# Allegro board BRD_05101_01_rev_b01_aa.brd (continued)
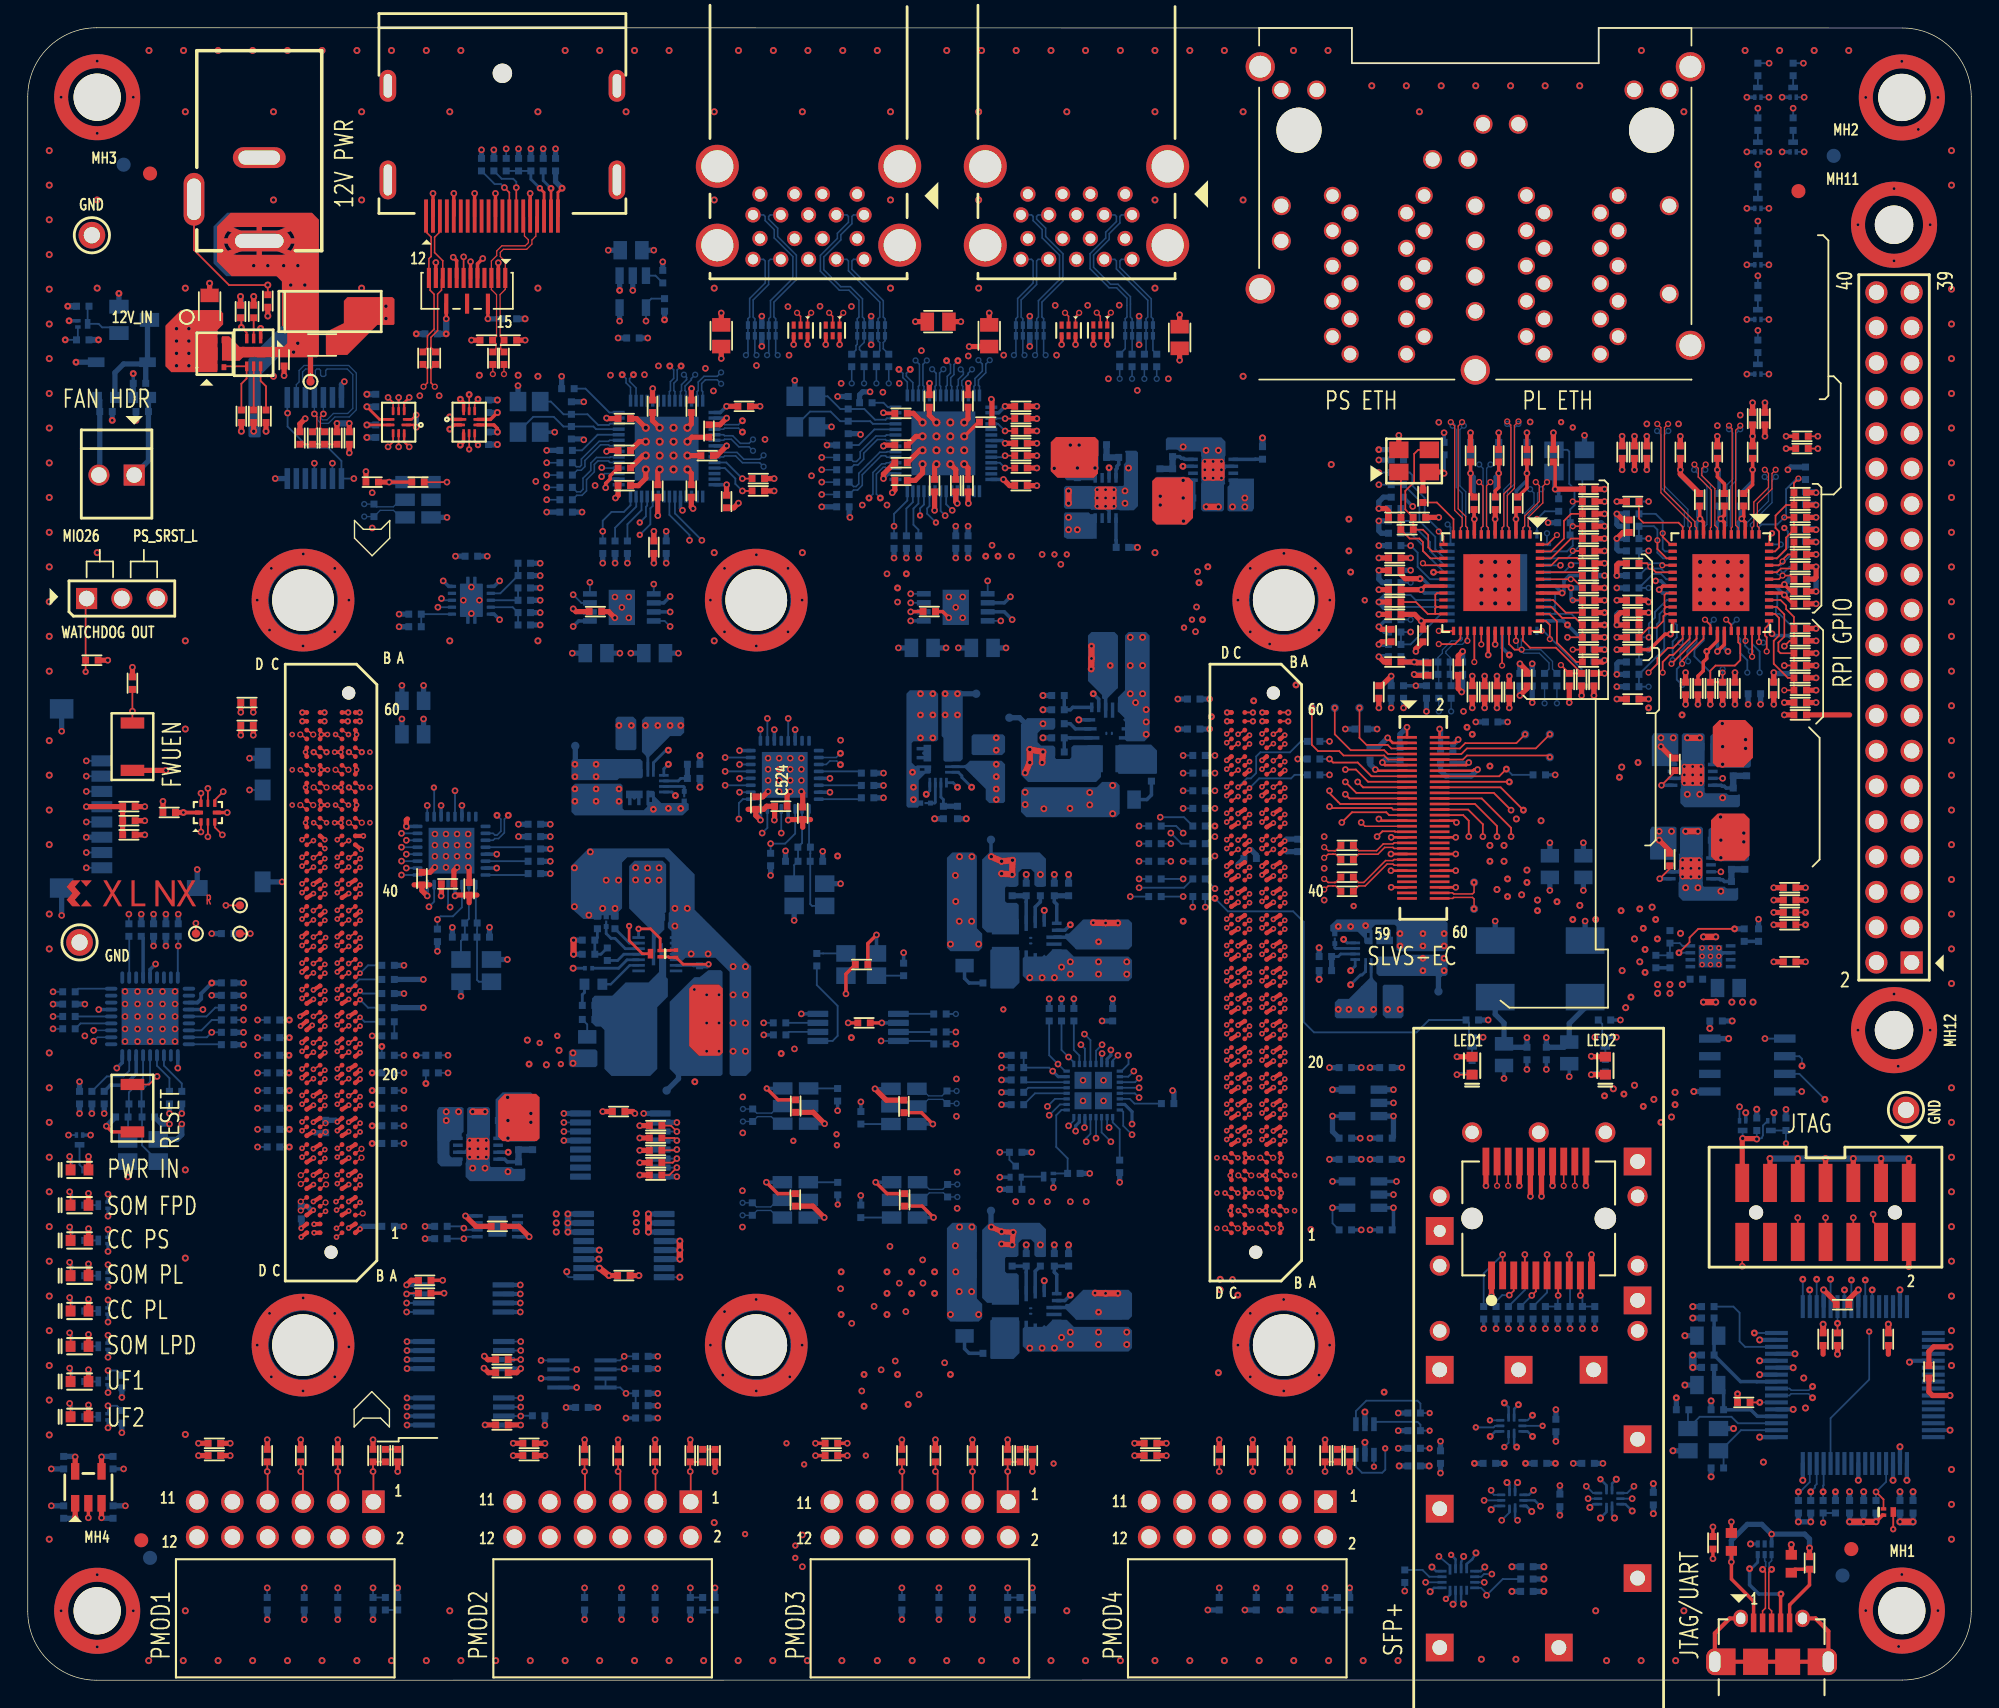
[diagram p0: board, top side]
## Placement (name value [footprint] x y rotation side) (continued)
C426  1UF  [CAPC100X50X70]  126.92 57.07 180 top
C427  10PF  [CAPC100X50X55]  126.92 56.18 180 top
C428  0.1UF  [CAPC100X50X55]  94.92 37.51 0 bottom
C429  10UF  [CAPC100X50X70]  97.84 37.51 180 bottom
C430  0.1UF  [CAPC100X50X55]  94.92 44.12 0 bottom
C431  10UF  [CAPC100X50X70]  97.84 44.12 180 bottom
C432  22UF  [CAPC200X125X145]  111.04 45.18 270 bottom
C433  0.1UF  [CAPC100X50X55]  109.39 45.13 270 bottom
C434  22UF  [CAPC200X125X145]  106.35 45.05 270 bottom
C435  0.1UF  [CAPC100X50X55]  108 45.13 270 bottom
C436  0.1UF  [CAPC100X50X55]  33.83 32.69 0 top
C437  0.1UF  [CAPC100X50X55]  28.6 28.8 0 top
C439  0.1UF  [CAPC100X50X55]  128.06 82.47 270 bottom
C440  0.1UF  [CAPC100X50X55]  115.62 70.66 180 bottom
C441  0.1UF  [CAPC100X50X55]  127.68 70.4 0 bottom
C442  1UF  [CAPC100X50X70]  124.38 71.04 180 bottom
C443  0.1UF  [CAPC100X50X55]  119.05 88.44 270 bottom
C444  0.1UF  [CAPC100X50X55]  123.36 85.01 90 bottom
C445  0.01uF  [CAPC100X50X55]  120.32 85.01 90 bottom
C446  1UF  [CAPC100X50X70]  114.85 88.44 90 bottom
C447  0.1UF  [CAPC100X50X55]  124.25 90.85 90 bottom
C448  0.1UF  [CAPC100X50X55]  127.68 79.29 0 bottom
C449  1UF  [CAPC100X50X70]  125.14 90.85 90 bottom
C450  0.1UF  [CAPC100X50X55]  127.68 74.85 0 bottom
C451  1UF  [CAPC100X50X70]  115.62 76.88 180 bottom
C452  0.01uF  [CAPC100X50X55]  127.68 78.41 0 bottom
C453  1UF  [CAPC100X50X70]  128.06 85.14 90 bottom
C454  10UF  [CAPC100X50X70]  122.98 71.42 270 bottom
C455  10UF  [CAPC100X50X70]  116.63 88.44 270 bottom
C456  1UF  [CAPC100X50X70]  115.74 88.44 90 bottom
C457  1UF  [CAPC100X50X70]  127.68 73.07 0 bottom
C458  0.1UF  [CAPC100X50X55]  115.62 77.77 180 bottom
C459  1UF  [CAPC100X50X70]  121.71 88.44 270 bottom
C460  1UF  [CAPC100X50X70]  124.25 88.44 270 bottom
C461  0.01uF  [CAPC100X50X55]  121.84 85.01 90 bottom
C462  10UF  [CAPC100X50X70]  125.78 71.42 270 bottom
C463  0.1UF  [CAPC100X50X55]  115.62 75.99 180 top
C464  0.1UF  [CAPC100X50X55]  120.32 71.42 270 top
C465  10UF  [CAPC100X50X70]  127.68 70.4 0 top
C466  1UF  [CAPC100X50X70]  122.98 71.42 270 top
C467  0.1UF  [CAPC100X50X55]  120.44 85.01 90 top
C468  0.1UF  [CAPC100X50X55]  116.63 88.44 270 top
C469  1UF  [CAPC100X50X70]  119.05 88.44 270 top
C470  1UF  [CAPC100X50X70]  114.85 88.44 90 top
C471  1UF  [CAPC100X50X70]  124.25 88.44 270 top
C472  0.1UF  [CAPC100X50X55]  122.22 85.01 90 top
C473  0.1UF  [CAPC100X50X55]  121.71 88.44 270 top
C474  0.1UF  [CAPC100X50X55]  119.43 71.42 270 top
C475  1UF  [CAPC100X50X70]  115.62 70.66 180 top
C476  1UF  [CAPC100X50X70]  115.36 83.1 270 top
C477  0.01uF  [CAPC100X50X55]  127.68 77.52 0 top
C478  0.1UF  [CAPC100X50X55]  115.62 76.88 180 top
C479  10UF  [CAPC100X50X70]  115.74 88.44 90 top
C480  0.01uF  [CAPC100X50X55]  123.62 85.01 90 top
C481  0.1UF  [CAPC100X50X55]  115.62 77.77 180 top
C482  0.01uF  [CAPC100X50X55]  127.68 78.41 0 top
C483  1UF  [CAPC100X50X70]  125.14 90.85 90 top
C484  1UF  [CAPC100X50X70]  124.25 90.85 90 top
C485  10UF  [CAPC100X50X70]  125.78 71.42 270 top
C486  1UF  [CAPC100X50X70]  115.62 74.21 180 top
C487  0.1UF  [CAPC100X50X55]  98.47 73.71 180 bottom
C488  0.1UF  [CAPC100X50X55]  98.47 79.93 180 bottom
C489  0.1UF  [CAPC100X50X55]  100.76 71.17 270 bottom
C490  1UF  [CAPC100X50X70]  112.82 73.83 90 bottom
C491  0.1UF  [CAPC100X50X55]  107.23 84.76 90 bottom
C492  0.1UF  [CAPC100X50X55]  103.93 88.69 270 bottom
C493  1UF  [CAPC100X50X70]  102.03 88.69 270 bottom
C494  0.01uF  [CAPC100X50X55]  104.19 84.76 90 bottom
C495  0.01uF  [CAPC100X50X55]  105.71 84.76 90 bottom
C496  0.1UF  [CAPC100X50X55]  104.95 71.17 270 bottom
C497  0.1UF  [CAPC100X50X55]  112.44 78.66 0 bottom
C498  0.1UF  [CAPC100X50X55]  107.49 72.06 270 bottom
C499  1UF  [CAPC100X50X70]  99.11 71.17 270 bottom
C500  1UF  [CAPC100X50X70]  112.87 81.73 270 bottom
C501  0.01uF  [CAPC100X50X55]  112.44 79.55 0 bottom
C502  10UF  [CAPC100X50X70]  108.38 72.06 270 bottom
C503  1UF  [CAPC100X50X70]  105.96 88.69 270 bottom
C504  0.1UF  [CAPC100X50X55]  112.44 75.1 0 bottom
C505  1UF  [CAPC100X50X70]  98.47 80.82 180 bottom
C506  1UF  [CAPC100X50X70]  105.84 71.17 270 bottom
C507  10UF  [CAPC100X50X70]  112.82 72.06 270 bottom
C508  1UF  [CAPC100X50X70]  98.22 71.17 270 bottom
C509  10UF  [CAPC100X50X70]  108 88.69 270 bottom
C510  1UF  [CAPC100X50X70]  112.44 77.77 0 bottom
C513  1000PF  [CAPC100X50X55]  62.91 88.95 0 top
C514  1000PF  [CAPC100X50X55]  62.91 86.41 0 top
C515  0.1UF  [CAPC100X50X55]  71.55 89.07 0 top
C516  0.1UF  [CAPC100X50X55]  66.85 86.03 90 top
C517  0.1UF  [CAPC100X50X55]  71.55 86.03 0 top
C518  0.1UF  [CAPC100X50X55]  69.01 90.6 180 top
C519  0.1UF  [CAPC100X50X55]  67.74 92.12 270 top
C520  0.1UF  [CAPC100X50X55]  64.94 92.12 270 top
C521  0.1UF  [CAPC100X50X55]  66.85 81.96 270 bottom
C522  0.1UF  [CAPC100X50X55]  58.72 84.5 180 bottom
C523  0.1UF  [CAPC100X50X55]  55.83 62.43 90 top
C524  0.1UF  [CAPC100X50X55]  54.25 62.94 0 top
C525  0.1UF  [CAPC100X50X55]  52.45 63.17 90 top
C526  1000PF  [CAPC100X50X55]  65.32 86.03 90 top
C527  1000PF  [CAPC100X50X55]  62.91 87.68 0 top
C528  0.1UF  [CAPC100X50X55]  67.74 86.03 90 top
C529  0.1UF  [CAPC100X50X55]  71.55 91.74 0 top
C530  0.1UF  [CAPC100X50X55]  62.91 91.23 0 top
C531  0.1UF  [CAPC100X50X55]  67.74 81.96 270 bottom
C532  0.1UF  [CAPC100X50X55]  36.5 61.64 0 bottom
C533  2.2UF  [CAPC100X50X55]  60.5 65.32 180 bottom
C534  0.1UF  [CAPC100X50X55]  58.72 86.28 0 bottom
C535  0.1UF  [CAPC100X50X55]  58.72 85.39 0 bottom
C536  0.1UF  [CAPC100X50X55]  58.72 88.06 0 bottom
C537  0.1UF  [CAPC100X50X55]  58.72 87.17 0 bottom
C538  10UF  [CAPC100X50X70]  105.46 69.01 0 bottom
C539  1UF  [CAPC100X50X70]  101.77 66.47 270 bottom
C540  10UF  [CAPC100X50X70]  96.69 66.72 270 bottom
C541  1UF  [CAPC100X50X70]  96.06 68.5 180 bottom
C542  10PF  [CAPC100X50X55]  98.85 66.72 270 bottom
C543  10PF  [CAPC100X50X55]  102.66 66.47 270 bottom
C544  0.01uF  [CAPC100X50X55]  95.04 57.83 180 top
C545  0.01uF  [CAPC100X50X55]  95.04 56.82 180 top
C546  0.01uF  [CAPC100X50X55]  95.04 60.12 0 top
C547  0.01uF  [CAPC100X50X55]  95.04 59.1 0 top
C548  0.1UF  [CAPC100X50X55]  71.29 45 180 bottom
C549  0.1UF  [CAPC100X50X55]  110.16 72.06 90 bottom
C550  0.1UF  [CAPC100X50X55]  109.27 72.06 90 bottom
C551  0.1UF  [CAPC100X50X55]  101.65 71.17 90 bottom
C552  0.1UF  [CAPC100X50X55]  102.54 71.17 90 bottom
C553  18PF  [CAPC100X50X50]  110.66 83.36 180 bottom
C554  18PF  [CAPC100X50X50]  112.44 83.36 0 bottom
C555  18PF  [CAPC100X50X50]  100.25 83.74 0 top
C556  18PF  [CAPC100X50X50]  98.47 83.74 180 top
C557  4.7UF  [CAPC100X50X60]  7.29 61.9 0 top
C558  1000PF  [CAPC100X50X55]  14.4 50.22 0 bottom
C559  0.1UF  [CAPC100X50X55]  2.97 48.69 180 bottom
C560  0.1UF  [CAPC100X50X55]  14.4 49.32 0 bottom
C561  0.1UF  [CAPC100X50X55]  3.73 41.96 270 bottom
C562  1UF  [CAPC100X50X70]  5.51 41.96 270 bottom
C563  27PF  [CAPC100X50X55]  6.78 40.56 180 bottom
C564  27PF  [CAPC100X50X55]  8.68 40.56 0 bottom
C565  0.1UF  [CAPC100X50X55]  10.19 62.49 180 top
C566  18PF  [CAPC100X50X50]  31.03 53.51 180 bottom
C567  18PF  [CAPC100X50X50]  32.81 53.51 0 bottom
C568  27PF  [CAPC100X50X55]  39.16 91.61 90 bottom
C569  27PF  [CAPC100X50X55]  39.16 89.84 270 bottom
C570  18PF  [CAPC100X50X50]  55.04 58.97 180 bottom
C571  18PF  [CAPC100X50X50]  56.82 58.97 0 bottom
C572  27PF  [CAPC100X50X55]  59.1 91.99 90 bottom
C573  27PF  [CAPC100X50X55]  59.1 90.22 270 bottom
C574  4.7UF  [CAPC100X50X60]  9.95 54.02 90 bottom
C575  22UF  [CAPC200X125X145]  112.06 58.59 90 bottom
C576  22UF  [CAPC200X125X145]  109.65 58.59 90 bottom
C577  0.1UF  [CAPC100X50X55]  34.16 18.39 180 top
C578  0.1UF  [CAPC100X50X55]  24.81 86.28 180 top
C581  1UF  [CAPC100X50X70]  21.46 39.87 270 bottom
C582  1UF  [CAPC100X50X70]  19.71 33.68 90 bottom
C583  1UF  [CAPC100X50X70]  83.99 68.5 180 bottom
C584  0.1UF  [CAPC100X50X55]  83.99 70.66 180 bottom
C585  1UF  [CAPC100X50X70]  88.06 59.18 180 bottom
C586  0.1UF  [CAPC100X50X55]  91.49 60.12 90 bottom
C587  0.1UF  [CAPC100X50X55]  55.29 34.59 270 top
C588  0.1UF  [CAPC100X50X55]  63.12 41.32 90 top
C589  0.1UF  [CAPC100X50X55]  55.32 41.35 270 top
C590  0.1UF  [CAPC100X50X55]  63.17 34.59 90 top
C591  0.1UF  [CAPC100X50X55]  60.24 47.34 180 top
C592  0.1UF  [CAPC100X50X55]  60.07 51.54 180 top
D1  SMAJ16A  [DO_214AC]  21.99 98.57 0 top
D2  MMSD4148T1G  [SOD_123]  6.78 94.92 0 bottom
DS1  LED-GRN-SMT  [LED_0603]  3.73 36.75 0 top
DS2  LED-GRN-SMT  [LED_0603]  3.73 34.21 0 top
DS3  LED-GRN-SMT  [LED_0603]  3.73 31.67 0 top
DS4  LED-GRN-SMT  [LED_0603]  3.73 29.13 0 top
DS5  LED-GRN-SMT  [LED_0603]  3.73 26.59 0 top
DS6  LED-GRN-SMT  [LED_0603]  3.73 24.05 0 top
DS7  LED-GRN-SMT  [LED_0603]  3.73 21.51 0 top
DS8  LED-GRN-SMT  [LED_0603]  3.73 18.97 0 top
DS9  LED-GRN-SMT  [LED_0603]  104.05 44.25 90 top
DS10  LED-GRN-SMT  [LED_0603]  113.65 44.25 90 top
J1  -  [HDR_1X3]  4.24 77.9 0 top
J2  HDR_2X6_F_RA  [HDR_F2X6_PMOD]  18.55 10.31 0 top
J3  87832-1420  [87832_1420]  129.51 33.69 180 top
J4  ZX62D_AB_5P8(30)  [CON_HR_ZX62D_AB_5P8]  125.62 4.13 0 top
J6  0472720001  [CON_MOLEX_47272]  34.19 115.72 180 top
J10  0879-2C2R-V4  [CON_BEL_0879_2C2R_V4]  114.56 106.92 180 top
J11  -  [CON_MOL_10P_5025700893]  5.34 66.21 270 bottom
J12  PJ-202BH  [CON_CUI_PJ202AH]  16.68 103.65 90 top
J13  22-11-2022  [HDR_1X2_LOCK_MOLEX]  7.67 86.79 180 top
J15  BLACK  [TP_KEY_MINI]  135.3 41.07 0 top
J16  BLACK  [TP_KEY_MINI]  3.73 53.13 0 top
J17  BLACK  [TP_KEY_MINI]  4.62 104.06 0 top
J18  HDR_2X6_F_RA  [HDR_F2X6_PMOD]  41.41 10.31 0 top
J19  HDR_2X6_F_RA  [HDR_F2X6_PMOD]  64.27 10.31 0 top
J20  HDR_2X6_F_RA  [HDR_F2X6_PMOD]  87.13 10.31 0 top
J21  -  [HDR_2X20]  135.71 51.68 90 top
J22  DF40HC(4.0)-60DS-0.4V(51)  [CON_HIROSE_DF40HC_4P0_60DS_04V]  100.53 62.1 270 top
J23  744410001  [CON_MOLEX_744410001]  108.85 33.25 90 top
J24  747540101  [CAGE_MOLEX_0747540101_L_PIPE]  100.72 -2.15 180 top
JA1  ADM6-60-01.5-L-4-2-A-TR  [CON_SAMTEC_ADM6_60_4]  21.85 50.96 270 top
JA2  ADM6-60-01.5-L-4-2-A-TR  [CON_SAMTEC_ADM6_60_4]  88.46 50.96 270 top
L1  1.2UH  [IND_COIL_XEL5030]  45.22 46.44 0 bottom
L2  FERRITE-600  [INDC200X125X110]  121.03 21.26 0 bottom
L3  FERRITE-600  [INDC200X125X110]  121.03 24.81 0 bottom
L4  FERRITE-220  [INDC160X80X95]  122.72 9.96 270 top
L5  FERRITE-220  [INDC160X80X95]  127.04 8.39 270 top
L8  FERRITE-600  [INDC160X80X95]  8.24 92.38 180 bottom
L9  FERRITE-600  [INDC160X80X95]  5.63 92.38 0 bottom
L10  4.7UH  [IND_IHLP2020BZ_ER]  112.19 51.23 270 bottom
L11  4.7UH  [IND_IHLP2020BZ_ER]  105.71 51.23 270 bottom
MH1  -  [MH_NP_M3_SO_600]  135 5.01 0 top
MH2  -  [MH_NP_M3_SO_600]  135 113.98 0 top
MH3  -  [MH_NP_M3_SO_600]  5 114 0 top
MH4  -  [MH_NP_M3_SO_600]  5 5 0 top
MH5  9774050960R  [CON_WE_WA-SMST_6MM]  19.83 77.78 0 top
MH6  9774050960R  [CON_WE_WA-SMST_6MM]  90.48 77.78 0 top
MH7  9774050960R  [CON_WE_WA-SMST_6MM]  19.83 24.13 0 top
MH8  9774050960R  [CON_WE_WA-SMST_6MM]  90.48 24.13 0 top
MH9  9774050960R  [CON_WE_WA-SMST_6MM]  52.48 77.78 0 top
MH10  9774050960R  [CON_WE_WA-SMST_6MM]  52.48 24.13 0 top
MH11  Mh_NP_C275  [MH_NP_C275]  134.44 104.81 0 top
MH12  Mh_NP_C275  [MH_NP_C275]  134.44 46.81 0 top
NOREF  -  []  5 5 0 top
NOREF#2  -  []  0 113.84 0 top
NOREF#3  -  [unnamed#2]  131.36 9.44 0 top
NOREF#4  -  []  133.83 0.01 90 top
NOREF#5  -  []  75.38 -1.85 0 top
NOREF#6  -  [unnamed#2]  8.17 10.08 0 top
NOREF#7  -  []  -36.65 72.73 0 top
NOREF#8  -  []  5 11.78 0 top
NOREF#9  -  []  629.59 371.65 0 top
NOREF#10  -  [unnamed#2]  8.81 108.5 0 top
NOREF#11  -  []  28.55 69.29 0 top
NOREF#12  -  []  149.52 118.29 0 top
NOREF#13  -  []  5 5 0 top
NOREF#14  -  []  146.01 -105.01 0 top
NOREF#15  -  []  5 5 0 top
NOREF#16  -  []  5 5 0 top
NOREF#17  -  []  -14.51 114.49 0 top
NOREF#18  -  []  5 5 0 top
NOREF#19  -  []  48.92 114 0 top
NOREF#20  -  []  145.96 -6.76 0 top
NOREF#21  -  []  5 5 0 top
NOREF#22  -  []  361.36 372.66 0 top
NOREF#23  -  []  72.67 9.03 0 top
NOREF#24  -  []  5 5 0 top
NOREF#25  -  []  5 4.62 0 top
NOREF#26  -  []  5 5 0 top
NOREF#27  -  []  5 5 0 top
NOREF#28  -  [unnamed#2]  127.55 107.23 0 top
NOREF#29  -  []  4.62 5 0 top
NOREF#30  -  []  29.61 114 0 top
NOREF#31  -  []  630.09 147.11 0 top
NOREF#32  -  []  361.36 144.32 0 top
NOREF#33  -  []  -136.35 300.53 0 top
NOREF#34  -  []  5 5 0 top
NOREF#35  -  []  146.58 -104.17 0 top
NOREF#36  -  []  7.26 114.1 0 top
NOREF#37  -  []  147.32 -115.09 0 top
NOREF#38  -  []  5 5 0 top
NOREF#39  -  []  4.62 5 0 top
NOREF#40  -  [unnamed#2]  8.81 8.81 180 bottom
NOREF#41  -  [unnamed#2]  6.9 109.14 180 bottom
NOREF#42  -  [unnamed#2]  130.09 109.77 180 bottom
NOREF#43  -  [unnamed#2]  130.73 7.54 180 bottom
Q3  DMN26D0UFB4-7  [DFN_105X65X40_3]  127.17 114.35 90 bottom
Q4  DMN26D0UFB4-7  [DFN_105X65X40_3]  124.63 106.35 90 bottom
Q5  IRFHS8342  [PQFN_65P210X2110X100-8]  13.48 95.52 90 top
Q6  DMN26D0UFB4-7  [DFN_105X65X40_3]  3.73 38.91 270 bottom
Q7  DMN26D0UFB4-7  [DFN_105X65X40_3]  5.43 34.21 180 bottom
Q8  DMN26D0UFB4-7  [DFN_105X65X40_3]  5.43 31.67 180 bottom
Q9  DMN26D0UFB4-7  [DFN_105X65X40_3]  5.43 29.13 180 bottom
Q10  DMN26D0UFB4-7  [DFN_105X65X40_3]  5.43 26.59 180 bottom
Q12  DMN26D0UFB4-7  [DFN_105X65X40_3]  125.57 39.94 270 bottom
Q13  DMN26D0UFB4-7  [DFN_105X65X40_3]  123.54 39.94 270 bottom
Q17  DMN26D0UFB4-7  [DFN_105X65X40_3]  5.43 24.05 180 bottom
Q18  NDS331N  [SOT_23]  7.67 97.96 90 bottom
Q19  DMN26D0UFB4-7  [DFN_105X65X40_3]  134.03 12.11 0 top
Q20  DMN26D0UFB4-7  [DFN_105X65X40_3]  3.96 97.67 0 bottom
Q21  DMN26D0UFB4-7  [DFN_105X65X40_3]  45.21 52.32 180 top
Q22  DMN26D0UFB4-7  [DFN_105X65X40_3]  5.43 21.51 180 bottom
Q23  DMN26D0UFB4-7  [DFN_105X65X40_3]  5.43 18.97 180 bottom
Q25  DMN26D0UFB4-7  [DFN_105X65X40_3]  104.05 45.95 270 bottom
Q26  DMN26D0UFB4-7  [DFN_105X65X40_3]  113.65 45.95 270 bottom
Q27  DMN26D0UFB4-7  [DFN_105X65X40_3]  127.17 110.41 90 bottom
Q28  DMN26D0UFB4-7  [DFN_105X65X40_3]  124.63 98.34 90 bottom
Q29  DMN26D0UFB4-7  [DFN_105X65X40_3]  124.63 114.35 90 bottom
Q30  DMN26D0UFB4-7  [DFN_105X65X40_3]  124.63 110.41 90 bottom
Q31  DMN26D0UFB4-7  [DFN_105X65X40_3]  124.63 102.28 90 bottom
Q32  DMN26D0UFB4-7  [DFN_105X65X40_3]  124.63 94.41 90 bottom
Q33  -  [SOT_723]  71.17 36.62 180 bottom
Q34  DMN26D0UFB4-7  [DFN_105X65X40_3]  73.53 36.27 180 bottom
R1  200K  [RESC100X50X40]  74.21 66.85 0 bottom
R2  44.2K  [RESC100X50X40]  74.21 67.86 180 bottom
R4  100K  [RESC100X50X40]  74.21 70.91 0 bottom
R5  100K  [RESC100X50X40]  74.21 69.89 180 bottom
R6  10.0K  [RESC100X50X40]  81.56 86.79 90 bottom
R7  100K  [RESC100X50X40]  73.58 47.93 270 bottom
R10  40.2K  [RESC100X50X40]  77.26 88.97 0 bottom
R12  100K  [RESC100X50X40]  74.98 30.27 270 bottom
R13  200K  [RESC100X50X40]  70.91 30.27 270 bottom
R14  68 kOhms  [RESC100X50X40]  47.97 64.94 180 bottom
R15  10.0K  [RESC100X50X40]  79.04 88.06 0 bottom
R16  34.0K  [RESC100X50X40]  47.97 65.96 0 bottom
R17  10.0K  [RESC100X50X40]  82.47 88.57 90 bottom
R18  68 kOhms  [RESC100X50X40]  93.48 52.12 0 bottom
R20  12.7K  [RESC100X50X40]  93.48 51.1 180 bottom
R21  40.2K  [RESC100X50X40]  65.96 62.49 90 bottom
R23  10.0K  [RESC100X50X40]  122.86 63.8 270 bottom
R24  40.2K  [RESC100X50X40]  123.82 65.58 270 bottom
R26  40.2K  [RESC100X50X40]  66.98 62.49 270 bottom
R27  10.0K  [RESC100X50X40]  123.69 58.85 270 bottom
R28  100K  [RESC100X50X40]  74.47 47.93 270 bottom
R29  10.0K  [RESC100X50X40]  122.73 57.07 270 bottom
R30  20.0K  [RESC100X50X40]  40.4 53.3 0 bottom
R31  2.7K  [RESC100X50X40]  41.03 54.57 90 bottom
R32  1.00K  [RESC100X50X40]  41.75 52.28 90 bottom
R33  0  [RESC160X80X65]  40.75 50.12 180 bottom
R34  100K  [RESC60X30X26]  40.4 51.27 0 bottom
R36  56.2K  [RESC100X50X40]  117.28 51.75 90 bottom
R38  10.0K  [RESC100X50X40]  35.35 36.88 270 bottom
R39  56.2K  [RESC100X50X40]  36.37 38.65 270 bottom
R40  10.0K  [RESC100X50X40]  123.65 53.66 90 bottom
R41  10.0K  [RESC100X50X40]  118.3 53.53 90 bottom
R42  100K  [RESC100X50X40]  73.95 30.27 90 bottom
R43  44.2K  [RESC100X50X40]  71.93 30.27 90 bottom
R44  0  [RESC100X50X40]  25.95 32.69 0 bottom
R45  10.0K  [RESC100X50X40]  4.62 73.45 180 top
R46  10.0K  [RESC100X50X40]  27.9 76.77 0 bottom
R47  10.0K  [RESC100X50X40]  35.77 77.77 180 bottom
R48  10.0K  [RESC100X50X40]  35.77 79.55 180 bottom
R49  10.0K  [RESC100X50X40]  35.77 76.88 180 bottom
R50  10.0K  [RESC100X50X40]  27.9 75.87 180 bottom
R51  10.0K  [RESC100X50X40]  35.77 78.66 0 bottom
R54  200K  [RESC100X50X40]  44.24 20.66 180 bottom
R55  2.21K  [RESC100X50X40]  44.24 22.44 180 bottom
R56  2.21K  [RESC100X50X40]  44.24 23.33 180 bottom
R57  4.70K  [RESC100X50X40]  45.23 38.16 0 top
R58  4.70K  [RESC100X50X40]  45.23 36.38 0 top
R61  10.0K  [RESC100X50X40]  45.23 39.94 0 top
R62  4.70K  [RESC100X50X40]  45.23 39.05 0 top
R63  4.70K  [RESC100X50X40]  45.23 37.27 0 top
R66  0  [RESC100X50X40]  99.2 7.49 270 bottom
R74  10.0K  [RESC100X50X40]  130.22 12.49 270 bottom
R75  1.00K  [RESC100X50X40]  121.03 26.91 0 bottom
R76  10.0K  [RESC100X50X40]  128.44 12.49 90 bottom
R77  10.0K  [RESC100X50X40]  127.55 12.49 90 bottom
R78  2.00K  [RESC100X50X40]  129.33 12.49 90 bottom
R79  12.0K  [RESC100X50X40]  123.62 20.01 0 top
R102  2.21K  [RESC100X50X40]  112.44 79.55 180 top
R104  10.0K  [RESC100X50X40]  112.44 76.88 180 top
R105  10.0K  [RESC100X50X40]  112.44 75.99 180 top
R106  10.0K  [RESC100X50X40]  112.44 80.44 180 top
R107  10.0K  [RESC100X50X40]  112.44 82.22 180 top
R108  10.0K  [RESC100X50X40]  112.44 83.99 180 top
R109  5.76K  [RESC100X50X40]  112.44 73.33 180 top
R110  5.76K  [RESC100X50X40]  111.93 72.06 90 top
R113  4.70K  [RESC100X50X40]  98.47 77.64 0 top
R116  10.0K  [RESC100X50X40]  112.44 77.77 0 top
R117  10.0K  [RESC100X50X40]  112.44 75.1 0 top
R118  10.0K  [RESC100X50X40]  112.44 81.33 0 top
R119  10.0K  [RESC100X50X40]  112.44 83.1 0 top
R120  10.0K  [RESC100X50X40]  112.44 84.88 0 top
R121  2.49K  [RESC100X50X40]  112.44 74.21 0 top
R122  2.49K  [RESC100X50X40]  111.04 72.06 270 top
R124  261  [RESC100X50X40]  127.17 116 90 bottom
R125  10.0K  [RESC100X50X40]  112.44 78.66 180 top
R126  11.0K  [RESC100X50X40]  100.5 85.26 90 top
R127  261  [RESC100X50X40]  124.63 108 90 bottom
R130  100K  [RESC100X50X40]  14.4 46.66 180 bottom
R133  300K  [RESC100X50X40]  16.28 91.02 90 top
R134  274K  [RESC100X50X40]  15.39 98.57 90 bottom
R135  422  [RESC100X50X40]  16.28 98.57 90 top
R157  261  [RESC100X50X40]  3.65 36.75 180 bottom
R158  261  [RESC100X50X40]  3.65 34.21 180 bottom
R159  261  [RESC100X50X40]  3.65 31.67 180 bottom
R160  261  [RESC100X50X40]  3.65 29.13 180 bottom
R161  261  [RESC100X50X40]  3.65 26.59 180 bottom
R162  499  [RESC100X50X40]  25.95 51.48 0 bottom
R163  499  [RESC100X50X40]  25.95 50.47 0 bottom
R164  499  [RESC100X50X40]  25.95 49.45 0 bottom
R165  499  [RESC100X50X40]  25.95 48.43 0 bottom
R166  100K  [RESC100X50X40]  6.14 12.11 270 bottom
R167  10.0K  [RESC100X50X40]  6.14 15.67 270 bottom
R170  2.49K  [RESC100X50X40]  22.27 89.45 270 top
R171  1.50K  [RESC100X50X40]  19.6 89.45 90 top
R172  49.9  [RESC100X50X40]  21.38 89.45 90 top
R173  49.9  [RESC100X50X40]  20.52 89.45 90 top
R174  100K  [RESC100X50X40]  35.35 109.14 90 bottom
R195  10.0K  [RESC100X50X40]  45.74 101.07 270 bottom
R196  10.0K  [RESC100X50X40]  45.87 99.04 90 bottom
R200  0  [RESC100X50X40]  37.13 109.14 90 bottom
R202  1M  [RESC100X50X40]  33.57 109.14 90 bottom
R203  1M  [RESC100X50X40]  32.69 109.14 90 bottom
R205  100K  [RESC100X50X40]  34.76 96.5 180 top
R206  100K  [RESC100X50X40]  33.03 96.5 180 top
R209  10.0K  [RESC100X50X40]  36.5 58.97 180 bottom
R210  10.0K  [RESC100X50X40]  29.51 53.64 90 bottom
R213  8.06K  [RESC100X50X40]  36.5 58.09 0 bottom
R218  10.0K  [RESC100X50X40]  41.42 81.59 90 bottom
R219  200K  [RESC100X50X40]  43.2 81.59 270 bottom
R220  200K  [RESC100X50X40]  42.31 81.59 270 bottom
R221  12.0K  [RESC100X50X40]  38.91 93.01 180 bottom
R222  0  [RESC100X50X40]  38.78 88.57 180 bottom
R223  1.00  [RESC200X125X75]  40.3 45.55 270 bottom
R224  1.00  [RESC200X125X75]  67.48 25.57 90 bottom
R225  1.00  [RESC200X125X75]  78.91 63.42 180 bottom
R233  10.0K  [RESC100X50X40]  126.66 40.04 270 bottom
R234  10.0K  [RESC100X50X40]  124.55 40.04 270 bottom
R235  10.0K  [RESC100X50X40]  130.37 24.56 90 top
R241  10.0K  [RESC100X50X40]  108 7.29 0 bottom
R243  10.0K  [RESC100X50X40]  88.95 88.38 270 bottom
R244  10.0K  [RESC100X50X40]  78.86 81.58 180 bottom
R248  30  [RESC100X50X40]  7.28 54.02 90 bottom
R249  30  [RESC100X50X40]  2.97 49.58 180 bottom
R250  30  [RESC100X50X40]  2.97 47.8 180 bottom
R251  30  [RESC100X50X40]  2.97 46.91 180 bottom
R252  30  [RESC100X50X40]  14.4 47.54 0 bottom
R253  30  [RESC100X50X40]  14.4 48.43 0 bottom
R254  261  [RESC100X50X40]  3.65 24.05 180 bottom
R256  1.00K  [RESC100X50X40]  34.16 23.08 180 top
R260  10.0K  [RESC100X50X40]  3.96 98.95 0 bottom
R261  10.0K  [RESC100X50X40]  3.96 96.52 0 bottom
R262  10.0K  [RESC100X50X40]  133.14 12.49 270 bottom
R263  10.0K  [RESC100X50X40]  14.4 53.77 180 bottom
R264  20  [RESC100X50X40]  25.95 47.42 0 bottom
R265  100K  [RESC60X30X26]  46.69 52.31 90 top
R266  10.0K  [RESC100X50X40]  99.87 19.24 0 bottom
R267  10.0K  [RESC100X50X40]  99.87 17.97 0 bottom
R268  10.0K  [RESC100X50X40]  99.87 16.7 0 bottom
R274  20  [RESC100X50X40]  25.76 16.18 270 top
R275  20  [RESC100X50X40]  25.76 5.51 90 bottom
R276  0  [RESC100X50X40]  25.95 41.19 0 bottom
R277  0  [RESC100X50X40]  25.95 43.73 0 bottom
R278  0  [RESC100X50X40]  17.7 42.46 180 bottom
R279  0  [RESC100X50X40]  29.13 45 0 bottom
R280  0  [RESC100X50X40]  17.7 45 180 bottom
R281  0  [RESC100X50X40]  25.95 45 0 bottom
R282  0  [RESC100X50X40]  17.7 46.27 180 bottom
R283  0  [RESC100X50X40]  17.7 47.54 180 bottom
R289  100K  [RESC100X50X40]  74.98 56.94 270 bottom
R290  200K  [RESC100X50X40]  70.91 56.94 270 bottom
R291  100K  [RESC100X50X40]  71.93 56.94 90 bottom
R292  100K  [RESC100X50X40]  73.95 56.94 90 bottom
R293  1.00  [RESC200X125X75]  67.48 52.24 90 bottom
R294  261  [RESC100X50X40]  3.65 21.51 180 bottom
R295  261  [RESC100X50X40]  3.65 18.97 180 bottom
R296  20  [RESC100X50X40]  48.62 16.18 270 top
R297  20  [RESC100X50X40]  48.62 5.51 90 bottom
R298  0  [RESC100X50X40]  17.7 39.67 180 bottom
R299  0  [RESC100X50X40]  17.7 38.4 180 bottom
R300  0  [RESC100X50X40]  25.95 39.92 0 bottom
R301  0  [RESC100X50X40]  17.7 43.73 180 bottom
R302  0  [RESC100X50X40]  25.95 42.46 0 bottom
R303  0  [RESC100X50X40]  17.7 41.19 180 bottom
R304  0  [RESC100X50X40]  29.13 43.73 0 bottom
R305  0  [RESC100X50X40]  25.95 38.65 0 bottom
R306  20  [RESC100X50X40]  71.48 16.18 270 top
R307  20  [RESC100X50X40]  71.48 5.51 90 bottom
R308  0  [RESC100X50X40]  81.2 60.24 180 bottom
R309  0  [RESC100X50X40]  84.37 64.05 180 bottom
R310  0  [RESC100X50X40]  81.2 58.97 180 bottom
R311  0  [RESC100X50X40]  84.37 66.59 180 bottom
R312  0  [RESC100X50X40]  81.2 61.51 180 bottom
R313  0  [RESC100X50X40]  84.37 58.97 180 bottom
R314  0  [RESC100X50X40]  84.37 61.51 180 bottom
R315  0  [RESC100X50X40]  84.37 60.24 180 bottom
R316  20  [RESC100X50X40]  94.34 16.18 270 top
R317  20  [RESC100X50X40]  94.34 5.51 90 bottom
R318  0  [RESC100X50X40]  84.37 62.78 180 bottom
R319  0  [RESC100X50X40]  84.37 56.43 180 bottom
R320  0  [RESC100X50X40]  84.37 65.32 180 bottom
R321  0  [RESC100X50X40]  81.2 56.43 180 bottom
R322  0  [RESC100X50X40]  92.63 65.2 0 bottom
R323  0  [RESC100X50X40]  84.37 57.7 180 bottom
R324  0  [RESC100X50X40]  92.63 67.61 0 bottom
R325  0  [RESC100X50X40]  81.2 57.7 180 bottom
R326  4.70K  [RESC100X50X40]  126.92 54.4 180 top
R327  4.70K  [RESC100X50X40]  126.92 55.29 180 top
R328  10.0K  [RESC100X50X40]  94.92 32.43 0 bottom
R329  100K  [RESC100X50X40]  97.84 32.43 0 bottom
R330  3.90K  [RESC100X50X40]  127.81 89.58 180 top
R331  3.90K  [RESC100X50X40]  127.81 88.69 180 top
R332  10.0K  [RESC100X50X40]  94.92 39.04 0 bottom
R333  100K  [RESC100X50X40]  97.84 39.04 0 bottom
R334  4.70K  [RESC100X50X40]  106.66 26.46 270 bottom
R335  4.70K  [RESC100X50X40]  107.55 26.46 270 bottom
R336  4.70K  [RESC100X50X40]  104.88 26.46 270 bottom
R337  4.70K  [RESC100X50X40]  105.77 26.46 270 bottom
R338  4.70K  [RESC100X50X40]  111.1 26.46 270 bottom
R339  4.70K  [RESC100X50X40]  108.44 26.46 270 bottom
R341  4.70K  [RESC100X50X40]  110.22 26.46 270 bottom
R342  4.70K  [RESC100X50X40]  112.88 26.46 270 bottom
R343  4.70K  [RESC100X50X40]  109.33 26.46 90 bottom
R344  4.70K  [RESC100X50X40]  111.99 26.46 90 bottom
R345  261  [RESC100X50X40]  104.05 44.18 270 bottom
R346  261  [RESC100X50X40]  113.65 44.25 270 bottom
R347  2.21K  [RESC100X50X40]  29.76 32.69 0 bottom
R348  2.21K  [RESC100X50X40]  29.76 31.8 0 bottom
R349  1.00K  [RESC100X50X40]  28.59 27.87 0 top
R352  10  [RESC100X50X40]  34.46 109.14 270 bottom
R353  2.21K  [RESC100X50X40]  127.68 80.18 180 bottom
R354  2.21K  [RESC100X50X40]  115.62 79.55 0 bottom
R355  10.0K  [RESC100X50X40]  115.62 75.1 0 bottom
R356  10.0K  [RESC100X50X40]  115.62 73.33 0 bottom
R357  10.0K  [RESC100X50X40]  115.62 80.44 0 bottom
R358  10.0K  [RESC100X50X40]  115.62 83.1 0 bottom
R359  10.0K  [RESC100X50X40]  115.62 83.99 0 bottom
R360  5.76K  [RESC100X50X40]  115.62 72.44 0 bottom
R362  5.76K  [RESC100X50X40]  121.2 71.42 90 bottom
R363  261  [RESC100X50X40]  127.17 112.06 90 bottom
R364  10.0K  [RESC100X50X40]  115.62 75.99 180 bottom
R365  10.0K  [RESC100X50X40]  115.62 74.21 180 bottom
R366  10.0K  [RESC100X50X40]  115.62 81.33 180 bottom
R367  10.0K  [RESC100X50X40]  115.62 82.22 180 bottom
R368  10.0K  [RESC100X50X40]  115.62 84.88 180 bottom
R369  2.49K  [RESC100X50X40]  115.62 71.55 180 bottom
R371  261  [RESC100X50X40]  124.63 100 90 bottom
R372  2.49K  [RESC100X50X40]  122.09 71.42 270 bottom
R373  4.70K  [RESC100X50X40]  127.68 75.74 180 bottom
R376  10.0K  [RESC100X50X40]  115.62 78.66 0 bottom
R377  11.0K  [RESC100X50X40]  128.06 86.91 90 bottom
R378  2.21K  [RESC100X50X40]  115.62 80.44 0 top
R379  2.21K  [RESC100X50X40]  127.68 80.18 180 top
R380  10.0K  [RESC100X50X40]  127.68 75.74 180 top
R381  10.0K  [RESC100X50X40]  127.68 73.96 180 top
R382  10.0K  [RESC100X50X40]  127.68 81.07 180 top
R383  10.0K  [RESC100X50X40]  127.68 82.85 180 top
R384  10.0K  [RESC100X50X40]  127.68 84.63 180 top
R385  5.76K  [RESC100X50X40]  127.68 72.18 180 top
R387  2.49K  [RESC100X50X40]  121.2 71.42 90 top
R388  261  [RESC100X50X40]  124.63 116 90 bottom
R389  10.0K  [RESC100X50X40]  127.68 74.85 0 top
R390  10.0K  [RESC100X50X40]  127.68 73.07 0 top
R391  10.0K  [RESC100X50X40]  127.68 81.96 0 top
R392  10.0K  [RESC100X50X40]  127.68 83.74 0 top
R393  10.0K  [RESC100X50X40]  127.68 85.52 0 top
R394  2.49K  [RESC100X50X40]  127.68 71.29 0 top
R396  10.0K  [RESC100X50X40]  122.09 71.42 270 top
R397  4.70K  [RESC100X50X40]  115.62 75.1 0 top
R400  261  [RESC100X50X40]  124.63 112.06 90 bottom
R401  10.0K  [RESC100X50X40]  127.68 79.29 180 top
R402  11.0K  [RESC100X50X40]  115.62 84.88 180 top
R403  2.21K  [RESC100X50X40]  112.44 80.44 180 bottom
R404  2.21K  [RESC100X50X40]  98.47 82.6 0 bottom
R405  10.0K  [RESC100X50X40]  98.47 78.15 0 bottom
R406  10.0K  [RESC100X50X40]  98.47 77.26 0 bottom
R407  10.0K  [RESC100X50X40]  98.47 83.49 0 bottom
R408  10.0K  [RESC100X50X40]  99.11 85.64 90 bottom
R409  10.0K  [RESC100X50X40]  99.11 87.42 270 bottom
R410  5.76K  [RESC100X50X40]  98.47 74.6 0 bottom
R411  10.0K  [RESC100X50X40]  101.14 73.33 0 bottom
R412  10.0K  [RESC100X50X40]  102.92 73.33 180 bottom
R413  261  [RESC100X50X40]  124.63 103.93 90 bottom
R414  4.70K  [RESC100X50X40]  112.44 75.99 180 bottom
R417  10.0K  [RESC100X50X40]  98.47 79.04 180 bottom
R418  10.0K  [RESC100X50X40]  98.47 76.37 180 bottom
R419  10.0K  [RESC100X50X40]  98.47 84.37 180 bottom
R420  10.0K  [RESC100X50X40]  98.22 85.64 270 bottom
R421  2.49K  [RESC100X50X40]  98.22 87.42 90 bottom
R422  2.49K  [RESC100X50X40]  102.92 72.44 0 bottom
R423  2.49K  [RESC100X50X40]  98.47 75.48 180 bottom
R424  2.49K  [RESC100X50X40]  101.14 72.44 180 bottom
R425  261  [RESC100X50X40]  124.63 96.06 90 bottom
R426  10.0K  [RESC100X50X40]  98.47 81.71 0 bottom
R427  11.0K  [RESC100X50X40]  110.28 84.63 90 bottom
R428  12.0K  [RESC100X50X40]  4.62 41.96 270 bottom
R429  10.0K  [RESC100X50X40]  10.84 54.02 270 bottom
R430  10.0K  [RESC100X50X40]  60.5 64.44 180 bottom
R431  10.0K  [RESC100X50X40]  53.51 59.1 90 bottom
R432  8.06K  [RESC100X50X40]  60.5 63.55 0 bottom
R435  10.0K  [RESC100X50X40]  62.4 81.96 90 bottom
R438  200K  [RESC100X50X40]  64.18 81.96 270 bottom
R439  200K  [RESC100X50X40]  63.29 81.96 270 bottom
R440  12.0K  [RESC100X50X40]  60.37 91.99 180 bottom
R441  0  [RESC100X50X40]  58.72 88.95 180 bottom
R442  1.00K  [RESC100X50X40]  92.63 66.34 180 bottom
R443  1.00K  [RESC100X50X40]  108.89 65.2 0 bottom
R446  4.70K  [RESC100X50X40]  75.36 47.93 270 bottom
R447  4.70K  [RESC100X50X40]  71.29 43.23 0 bottom
R448  4.70K  [RESC100X50X40]  71.29 42.34 0 bottom
R449  4.70K  [RESC100X50X40]  71.29 41.45 0 bottom
R450  4.70K  [RESC100X50X40]  78.66 37 90 bottom
R451  4.70K  [RESC100X50X40]  82.11 41.52 180 bottom
R452  30  [RESC100X50X40]  71.29 44.12 0 bottom
R458  1.00K  [RESC100X50X40]  111.93 72.06 270 bottom
R460  1.0M  [RESC100X50X40]  111.55 82.47 0 bottom
R461  1.0M  [RESC100X50X40]  99.36 82.85 180 top
R462  2.21K  [RESC100X50X40]  7.29 60.88 0 top
R463  10.0K  [RESC100X50X40]  14.4 45.77 180 bottom
R464  10.0K  [RESC100X50X40]  10.21 41.96 90 bottom
R465  4.70K  [RESC100X50X40]  11.09 41.96 270 bottom
R466  1.0M  [RESC100X50X40]  7.74 41.5 0 bottom
R467  1.0M  [RESC100X50X40]  31.92 54.53 0 bottom
R468  10.0K  [RESC100X50X40]  52.62 86.53 0 top
R469  10.0K  [RESC100X50X40]  52.62 85.64 0 top
R470  1.0M  [RESC100X50X40]  55.93 59.99 0 bottom
R471  10.0K  [RESC100X50X40]  118.28 59.1 270 top
R472  10.0K  [RESC100X50X40]  118.66 65.96 270 top
R473  100K  [RESC100X50X40]  6.78 21.51 270 bottom
R474  100K  [RESC100X50X40]  6.78 18.97 270 bottom
R475  100K  [RESC100X50X40]  104.06 47.54 0 bottom
R476  100K  [RESC100X50X40]  113.58 47.54 0 bottom
R477  0  [RESC100X50X40]  54.16 47.34 180 bottom
R478  0  [RESC100X50X40]  65.71 45.82 0 bottom
R479  0  [RESC100X50X40]  65.71 47.98 0 bottom
R480  0  [RESC100X50X40]  65.71 46.68 0 bottom
R481  10.0K  [RESC100X50X40]  71.55 90.85 0 top
R482  10.0K  [RESC100X50X40]  71.55 89.96 0 top
R483  10.0K  [RESC100X50X40]  71.55 88.18 0 top
R484  10.0K  [RESC100X50X40]  71.55 87.3 0 top
R486  4.70K  [RESC100X50X40]  75.36 36.5 180 bottom
R487  1.00K  [RESC100X50X40]  36.8 19.05 0 bottom
R488  4.70K  [RESC100X50X40]  71.17 35.35 0 bottom
R489  4.70K  [RESC100X50X40]  71.17 38.02 0 bottom
R490  4.70K  [RESC100X50X40]  58.35 35.4 90 bottom
R491  499  [RESC100X50X40]  52.19 33.93 270 bottom
R492  4.70K  [RESC100X50X40]  60.02 40.5 270 bottom
R493  499  [RESC100X50X40]  66.21 41.98 90 bottom
R494  4.70K  [RESC100X50X40]  58.34 42.16 90 bottom
R495  499  [RESC100X50X40]  52.22 40.69 270 bottom
R496  4.70K  [RESC100X50X40]  60.01 33.76 270 bottom
R497  499  [RESC100X50X40]  66.26 35.25 90 bottom
R498  4.70K  [RESC100X50X40]  28.11 86.28 0 top
R499  499  [RESC100X50X40]  24.94 84.25 270 bottom
R500  4.70K  [RESC100X50X40]  63.09 51.19 270 bottom
R501  0  [RESC100X50X40]  56.84 51.89 270 bottom
R507  4.70K  [RESC100X50X40]  54.17 46.47 0 bottom
SW1  B3U-1000P  [SW_OMRON_2P]  7.54 67.23 90 top
SW2  B3U-1000P  [SW_OMRON_2P]  7.54 41.19 90 top
TP1  -  [TP_PAD]  20.37 93.52 0 top
TP3  -  [TP_PAD]  11.45 98.17 0 top
TP5  -  [TP_PAD]  46.02 42.46 270 bottom
TP7  -  [TP_PAD]  35.61 41.7 180 bottom
TP9  -  [TP_PAD]  68.32 71.04 90 bottom
TP11  -  [TP_PAD]  70.71 69.31 270 bottom
TP13  -  [TP_PAD]  74.21 88.31 270 bottom
TP15  -  [TP_PAD]  39.44 67.28 0 bottom
TP17  -  [TP_PAD]  82.22 83.74 0 bottom
TP19  -  [TP_PAD]  101.62 49.6 180 bottom
